# Altium PCB SP7.PcbDoc (part 2 of 4) (continued)
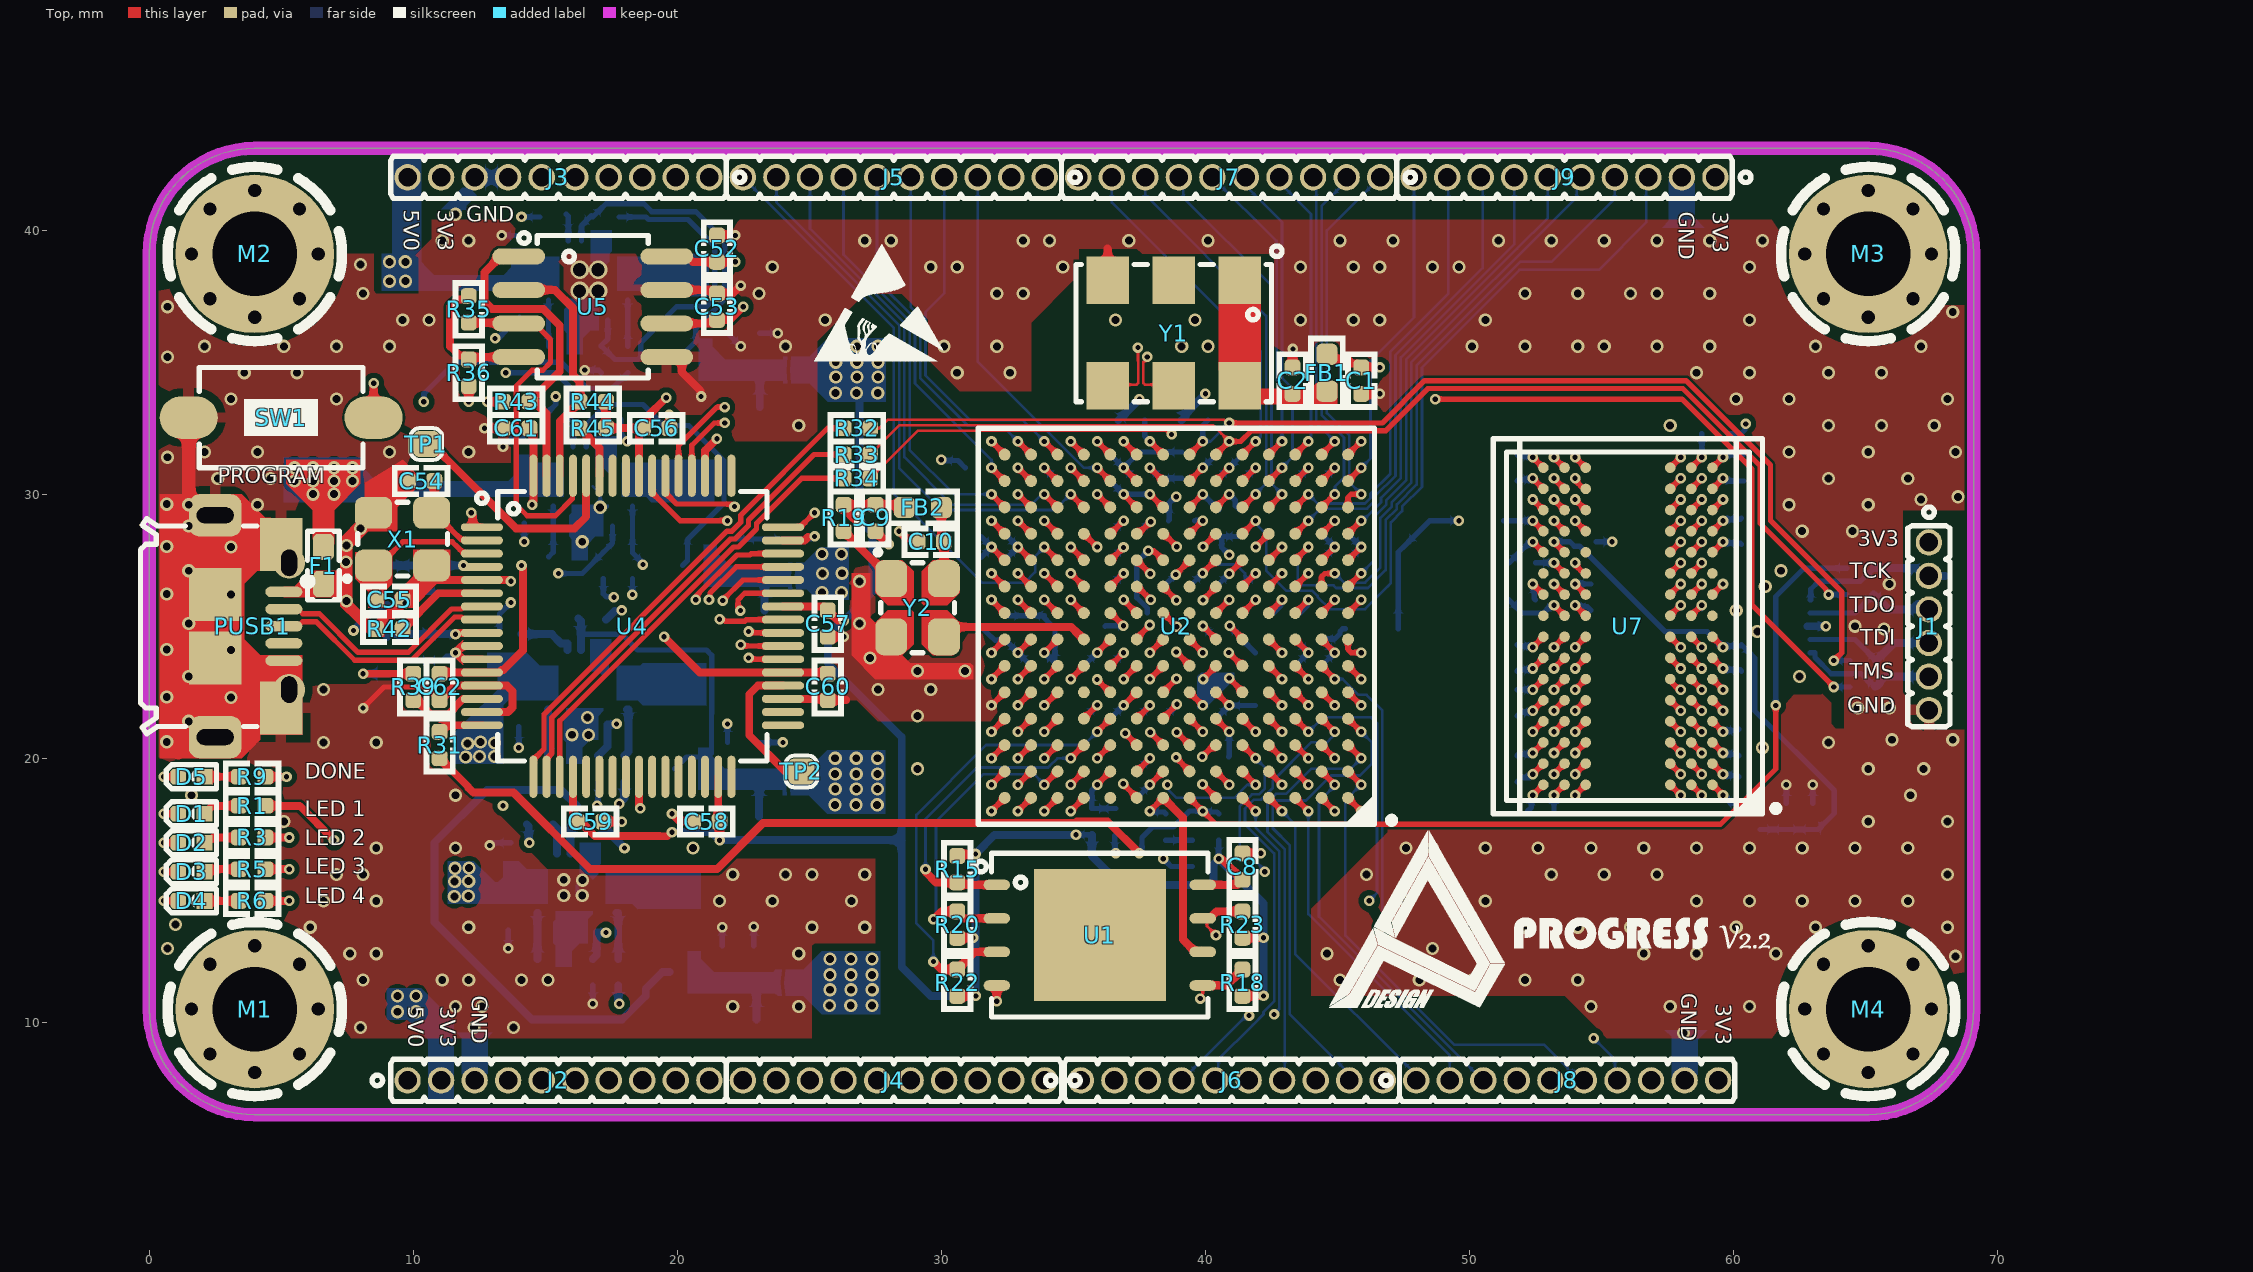
[diagram p0: Top view]
## Nets (pads, with @x,y where several pads share a name; then routed paths per layer and width w, separated by ;. In a path a pad name is that pad's centre, name@x,y a point inside that pad or via, vN(x,y) a via of type N, cw(c..) or ccw(c..) an arc to the next point about the centre after c; other vN are vias at no path point) (continued)
  Bottom w0.1: J6.7@42.905,7.8 43,7.895 43,16.561 42.35,17.211 42.35,18.333 42.667,18.65 43.055,18.65 44.005,19.6 45.5,19.6 v1(45.9,20)
DDR3_DM1: J8.7 U2.A5 U7.D3 | length 45.6
  Top w0.2: U2.A5@41.4,18.5 v1(41.9,18) ; U7.D3@57.6,21.4 v4(58,21)
  03_SIG w0.1: v1(42.6,10.3) 53.8,10.3 v1(54.7,9.4)
  05_SIG w0.1: v1(41.9,18) 42.65,17.25 58.35,17.25 59.2,18.1 59.2,20.5 59.1,20.6 58.508,20.6 58.237,20.871 58.108,21 v4(58,21)
  Bottom w0.1: v1(41.9,18) 41.9,17.378 42.508,16.769 42.8,16.478 42.8,10.509 42.6,10.309 v1(42.6,10.3) ; v1(54.7,9.4) 55.509,8.591 55.509,7.896 J8.7@55.605,7.8
DDR3_DQ0: J6.8 U2.D4 U7.E3 | length 41.6
  Top w0.2: U2.D4@42.4,21.5 v1(42.9,21) ; U7.E3@57.6,22.2 v4(58,21.8)
  03_SIG w0.1: v1(42.9,21) 43.3,21.4 48.6,21.4 48.65,21.4 ccw(c48.65,21.525) 48.775,21.525 48.775,21.619 cw(c48.9,21.619) 48.9,21.744 cw(c48.9,21.619) 49.025,21.619 49.025,21.025 ccw(c49.15,21.025) 49.15,20.9 ccw(c49.15,21.025) 49.275,21.025 49.275,21.619 cw(c49.4,21.619) 49.4,21.744 cw(c49.4,21.619) 49.525,21.619 49.525,21.025 ccw(c49.65,21.025) 49.65,20.9 ccw(c49.65,21.025) 49.775,21.025 49.775,21.619 cw(c49.9,21.619) 49.9,21.744 cw(c49.9,21.619) 50.025,21.619 50.025,21.025 ccw(c50.15,21.025) 50.15,20.9 ccw(c50.15,21.025) 50.275,21.025 50.275,21.619 cw(c50.4,21.619) 50.4,21.744 cw(c50.4,21.619) 50.525,21.619 50.525,21.025 ccw(c50.65,21.025) 50.65,20.9 ccw(c50.65,21.025) 50.775,21.025 50.775,21.775 cw(c50.9,21.775) 50.9,21.9 cw(c50.9,21.775) 51.025,21.775 51.025,21.025 ccw(c51.15,21.025) 51.15,20.9 ccw(c51.15,21.025) 51.275,21.025 51.275,21.275 cw(c51.4,21.275) 51.4,21.4 51.6,21.4 57.6,21.4 v4(58,21.8)
  05_SIG w0.1: v1(42.9,21) 42.3,20.4 41.805,20.4 40.55,19.145 40.55,18.901 39.999,18.35 39.755,18.35 39.5,18.095 39.5,11.913 42.625,8.787 43.188,8.787 J6.8@44.175,7.8
DDR3_DQ1: J6.9 U2.D1 U7.F7 | length 40.3
  Top w0.2: U2.D1@45.4,21.5 v1(45.9,21) ; v4(54,22.6) U7.F7@54.4,23
  05_SIG w0.1: v1(45.9,21) 46.3,21.4 53.366,21.4 53.6,21.634 53.6,21.988 53.824,22.212 54.3,22.212 54.35,22.212 ccw(c54.35,22.337) 54.475,22.337 54.475,22.375 cw(c54.6,22.375) 54.6,22.5 cw(c54.6,22.375) 54.725,22.375 54.725,21.837 ccw(c54.85,21.837) 54.85,21.712 ccw(c54.85,21.837) 54.975,21.837 54.975,22.375 cw(c55.1,22.375) 55.1,22.5 cw(c55.1,22.375) 55.225,22.375 55.225,21.837 ccw(c55.35,21.837) 55.35,21.712 ccw(c55.35,21.837) 55.475,21.837 55.475,22.375 cw(c55.6,22.375) 55.6,22.5 cw(c55.6,22.375) 55.725,22.375 55.725,21.837 ccw(c55.85,21.837) 55.85,21.712 ccw(c55.85,21.837) 55.975,21.837 55.975,22.375 cw(c56.1,22.375) 56.1,22.5 cw(c56.1,22.375) 56.225,22.375 56.225,21.837 ccw(c56.35,21.837) 56.35,21.712 ccw(c56.35,21.837) 56.475,21.837 56.475,22.375 cw(c56.6,22.375) 56.6,22.5 cw(c56.6,22.375) 56.725,22.375 56.725,22.337 ccw(c56.85,22.337) 56.85,22.212 57.141,22.212 57.233,22.212 57.291,22.271 57.291,22.641 57.233,22.7 54.259,22.7 54.235,22.677 54.077,22.677 v4(54,22.6)
  Bottom w0.1: J6.9@45.445,7.8 45.445,8.055 43.2,10.3 43.2,16.7 42.55,17.35 42.55,18.25 42.641,18.341 42.7,18.4 43.805,18.4 44.755,19.35 45.85,19.35 46.3,19.8 46.3,20.6 v1(45.9,21)
DDR3_DQ2: J6.6 U2.E4 U7.F2 | length 41
  Top w0.2: U2.E4@42.4,22.5 v1(42.9,22) ; U7.F2@58.4,23 v4(58.8,22.6)
  03_SIG w0.1: v1(42.9,22) 43.25,22.35 48.141,22.35 48.191,22.35 ccw(c48.191,22.475) 48.316,22.475 48.316,22.744 cw(c48.441,22.744) 48.441,22.869 cw(c48.441,22.744) 48.566,22.744 48.566,22.067 ccw(c48.691,22.067) 48.691,21.942 ccw(c48.691,22.067) 48.816,22.067 48.816,22.744 cw(c48.941,22.744) 48.941,22.869 cw(c48.941,22.744) 49.066,22.744 49.066,22.067 ccw(c49.191,22.067) 49.191,21.942 ccw(c49.191,22.067) 49.316,22.067 49.316,22.744 cw(c49.441,22.744) 49.441,22.869 cw(c49.441,22.744) 49.566,22.744 49.566,22.067 ccw(c49.691,22.067) 49.691,21.942 ccw(c49.691,22.067) 49.816,22.067 49.816,22.744 cw(c49.941,22.744) 49.941,22.869 cw(c49.941,22.744) 50.066,22.744 50.066,22.067 ccw(c50.191,22.067) 50.191,21.942 ccw(c50.191,22.067) 50.316,22.067 50.316,22.225 cw(c50.441,22.225) 50.441,22.35 50.736,22.35 50.746,22.34 50.886,22.2 58.4,22.2 v4(58.8,22.6)
  05_SIG w0.1: J6.6@41.635,7.8 39.3,10.135 39.3,18.178 39.703,18.581 39.947,18.581 40.35,18.984 40.35,19.228 41.722,20.6 41.995,20.6 42.3,20.905 42.3,21.4 v1(42.9,22)
DDR3_DQ3: J6.5 U2.D2 U7.F8 | length 39.5
  Top w0.2: U2.D2@44.4,21.5 v1(44.9,21) ; v4(53.2,22.6) U7.F8@53.6,23
  05_SIG w0.1: v1(44.9,21) 45.405,21 46.4,21.995 46.45,22.045 ccw(c46.299,22.196) 46.513,22.196 46.513,22.575 cw(c46.638,22.575) 46.638,22.7 cw(c46.638,22.575) 46.763,22.575 46.763,21.825 ccw(c46.888,21.825) 46.888,21.7 ccw(c46.888,21.825) 47.013,21.825 47.013,22.575 cw(c47.138,22.575) 47.138,22.7 cw(c47.138,22.575) 47.263,22.575 47.263,21.825 ccw(c47.388,21.825) 47.388,21.7 ccw(c47.388,21.825) 47.513,21.825 47.513,22.575 cw(c47.638,22.575) 47.638,22.7 cw(c47.638,22.575) 47.763,22.575 47.763,21.825 ccw(c47.888,21.825) 47.888,21.7 ccw(c47.888,21.825) 48.013,21.825 48.013,22.235 cw(c48.138,22.235) 48.138,22.36 cw(c48.138,22.235) 48.263,22.235 48.263,21.825 ccw(c48.388,21.825) 48.388,21.7 ccw(c48.388,21.825) 48.513,21.825 48.513,22.132 cw(c48.638,22.132) 48.638,22.257 cw(c48.638,22.132) 48.763,22.132 48.763,21.825 ccw(c48.888,21.825) 48.888,21.7 ccw(c48.888,21.825) 49.013,21.825 49.013,22.132 cw(c49.138,22.132) 49.138,22.257 cw(c49.138,22.132) 49.263,22.132 49.263,21.825 ccw(c49.388,21.825) 49.388,21.7 ccw(c49.388,21.825) 49.513,21.825 49.513,22.132 cw(c49.638,22.132) 49.638,22.257 cw(c49.638,22.132) 49.763,22.132 49.763,21.825 ccw(c49.888,21.825) 49.888,21.7 ccw(c49.888,21.825) 50.013,21.825 50.013,22.132 cw(c50.138,22.132) 50.138,22.257 cw(c50.138,22.132) 50.263,22.132 50.263,21.825 ccw(c50.388,21.825) 50.388,21.7 ccw(c50.388,21.825) 50.513,21.825 50.513,22.132 cw(c50.638,22.132) 50.638,22.257 cw(c50.638,22.132) 50.763,22.132 50.763,21.825 ccw(c50.888,21.825) 50.888,21.7 ccw(c50.888,21.825) 51.013,21.825 51.013,22.132 cw(c51.138,22.132) 51.138,22.257 cw(c51.138,22.132) 51.263,22.132 51.263,21.825 ccw(c51.388,21.825) 51.388,21.7 ccw(c51.388,21.825) 51.513,21.825 51.513,22.575 cw(c51.638,22.575) 51.638,22.7 cw(c51.638,22.575) 51.763,22.575 51.763,22.325 ccw(c51.888,22.325) 51.888,22.2 52.1,22.2 52.8,22.2 v4(53.2,22.6)
  Bottom w0.1: J6.5@40.365,7.8 40.484,7.919 40.484,8.591 41.797,9.905 42.199,10.306 42.199,10.394 42.6,10.795 42.6,16.395 41.5,17.495 41.5,18.095 41.839,18.434 42.111,18.434 42.55,18.872 42.55,19.145 44.005,20.6 44.6,20.6 44.803,20.803 44.803,20.821 44.9,20.919 v1(44.9,21)
DDR3_DQ4: J6.3 U2.G4 U7.H3 | length 42.7
  Top w0.2: U2.G4@42.4,24.5 v1(42.9,24) ; U7.H3@57.6,24.6 v4(58,24.2)
  03_SIG w0.1: v1(42.9,24) 43.9,25 54.192,25 54.492,25 cw(c54.492,24.875) 54.617,24.875 54.617,24.343 ccw(c54.742,24.343) 54.742,24.218 ccw(c54.742,24.343) 54.867,24.343 54.867,24.902 cw(c54.992,24.902) 54.992,25.027 cw(c54.992,24.902) 55.117,24.902 55.117,24.343 ccw(c55.242,24.343) 55.242,24.218 ccw(c55.242,24.343) 55.367,24.343 55.367,24.886 cw(c55.492,24.886) 55.492,25.011 cw(c55.492,24.886) 55.617,24.886 55.617,24.343 ccw(c55.742,24.343) 55.742,24.218 ccw(c55.742,24.343) 55.867,24.343 55.867,24.886 cw(c55.992,24.886) 55.992,25.011 cw(c55.992,24.886) 56.117,24.886 56.117,24.343 ccw(c56.242,24.343) 56.242,24.218 ccw(c56.242,24.343) 56.367,24.343 56.367,25.075 cw(c56.492,25.075) 56.492,25.2 cw(c56.492,25.075) 56.617,25.075 56.617,24.343 ccw(c56.742,24.343) 56.742,24.218 ccw(c56.742,24.343) 56.867,24.343 56.867,24.875 cw(c56.992,24.875) 56.992,25 57.2,25 57.24,24.96 v4(58,24.2)
  05_SIG w0.1: J6.3@37.825,7.8 39.1,9.075 39.1,18.724 40.088,19.712 40.107,19.712 41.25,20.855 41.25,20.874 42.55,22.174 42.55,23.145 42.9,23.495 v1(42.9,24)
DDR3_DQ5: J8.4 U2.F2 U7.H8 | length 43.3
  Top w0.2: U2.F2@44.4,23.5 v1(44.9,23) ; v4(53.2,24.2) U7.H8@53.6,24.6
  03_SIG w0.1: v1(44.9,23) 45.3,23.4 45.3,24 45.65,24.35 45.92,24.35 45.97,24.35 ccw(c45.97,24.475) 46.095,24.475 cw(c46.22,24.475) 46.22,24.6 cw(c46.22,24.475) 46.345,24.475 46.345,23.963 ccw(c46.47,23.963) 46.47,23.838 ccw(c46.47,23.963) 46.595,23.963 46.595,24.475 cw(c46.72,24.475) 46.72,24.6 cw(c46.72,24.475) 46.845,24.475 46.845,23.596 ccw(c46.97,23.596) 46.97,23.471 ccw(c46.97,23.596) 47.095,23.596 47.095,24.475 cw(c47.22,24.475) 47.22,24.6 cw(c47.22,24.475) 47.345,24.475 47.345,23.919 ccw(c47.47,23.919) 47.47,23.794 ccw(c47.47,23.919) 47.595,23.919 47.595,24.475 cw(c47.72,24.475) 47.72,24.6 cw(c47.72,24.475) 47.845,24.475 47.845,24.096 ccw(c47.97,24.096) 47.97,23.971 ccw(c47.97,24.096) 48.095,24.096 48.095,24.475 cw(c48.22,24.475) 48.22,24.6 cw(c48.22,24.475) 48.345,24.475 48.345,24.096 ccw(c48.47,24.096) 48.47,23.971 ccw(c48.47,24.096) 48.595,24.096 48.595,24.475 cw(c48.72,24.475) 48.72,24.6 cw(c48.72,24.475) 48.845,24.475 48.845,24.096 ccw(c48.97,24.096) 48.97,23.971 ccw(c48.97,24.096) 49.095,24.096 49.095,24.475 cw(c49.22,24.475) 49.22,24.6 cw(c49.22,24.475) 49.345,24.475 49.345,24.096 ccw(c49.47,24.096) 49.47,23.971 ccw(c49.47,24.096) 49.595,24.096 49.595,24.475 cw(c49.72,24.475) 49.72,24.6 cw(c49.72,24.475) 49.845,24.475 49.845,24.096 ccw(c49.97,24.096) 49.97,23.971 ccw(c49.97,24.096) 50.095,24.096 50.095,24.475 cw(c50.22,24.475) 50.22,24.6 cw(c50.22,24.475) 50.345,24.475 50.345,24.096 ccw(c50.47,24.096) 50.47,23.971 ccw(c50.47,24.096) 50.595,24.096 50.595,24.475 cw(c50.72,24.475) 50.72,24.6 cw(c50.72,24.475) 50.845,24.475 50.845,24.096 ccw(c50.97,24.096) 50.97,23.971 ccw(c50.97,24.096) 51.095,24.096 51.095,24.475 cw(c51.22,24.475) 51.22,24.6 cw(c51.22,24.475) 51.345,24.475 51.345,24.096 ccw(c51.47,24.096) 51.47,23.971 51.53,23.971 51.701,23.8 52.396,23.8 53.329,23.8 53.4,23.871 53.4,23.941 53.2,24.141 v4(53.2,24.2)
  05_SIG w0.1: v1(46.7,13.6) 46.7,12.434 47.7,11.434 50.434,8.7 50.895,8.7 51.284,8.311 J8.4@51.795,7.8 ; J8.4@51.9,7.4 J8.4@51.9,7.8
  Bottom w0.1: v1(44.9,23) 45.2,23 45.8,22.4 46.1,22.4 46.7,21.8 v1(46.7,13.6) ; J8.4@51.795,7.8 J8.4@51.795,8.105
DDR3_DQ6: J6.4 U2.E2 U7.G2 | length 41.9
  Top w0.2: U2.E2@44.4,22.5 v1(44.9,22) ; U7.G2@58.4,23.8 v4(58.8,23.4)
  05_SIG w0.1: v1(41.653,10.255) 39.8,12.108 39.8,17.405 41.25,18.855 41.25,19.15 41.6,19.5 42.895,19.5 44.25,20.855 44.25,21.35 v1(44.9,22) 45.55,22.65 46.045,22.65 46.395,23 47.95,23 48.25,23 cw(c48.25,22.875) 48.375,22.875 48.375,22.582 ccw(c48.5,22.582) 48.5,22.457 ccw(c48.5,22.582) 48.625,22.582 48.625,23.075 cw(c48.75,23.075) 48.75,23.2 cw(c48.75,23.075) 48.875,23.075 48.875,22.582 ccw(c49,22.582) 49,22.457 ccw(c49,22.582) 49.125,22.582 49.125,23.075 cw(c49.25,23.075) 49.25,23.2 cw(c49.25,23.075) 49.375,23.075 49.375,22.582 ccw(c49.5,22.582) 49.5,22.457 ccw(c49.5,22.582) 49.625,22.582 49.625,23.075 cw(c49.75,23.075) 49.75,23.2 cw(c49.75,23.075) 49.875,23.075 49.875,22.582 ccw(c50,22.582) 50,22.457 ccw(c50,22.582) 50.125,22.582 50.125,23.075 cw(c50.25,23.075) 50.25,23.2 cw(c50.25,23.075) 50.375,23.075 50.375,22.582 ccw(c50.5,22.582) 50.5,22.457 ccw(c50.5,22.582) 50.625,22.582 50.625,23.075 cw(c50.75,23.075) 50.75,23.2 cw(c50.75,23.075) 50.875,23.075 50.875,22.582 ccw(c51,22.582) 51,22.457 ; 51,22.457 ccw(c51,22.582) 51.125,22.582 51.125,22.875 cw(c51.25,22.875) 51.25,23 51.8,23 58.3,23 58.7,23.4 v4(58.8,23.4)
  Bottom w0.1: J6.4@39.095,7.8 41.493,10.198 41.595,10.198 v1(41.653,10.255)
DDR3_DQ7: J6.2 U2.F3 U7.H7 | length 45.7
  Top w0.2: U2.F3@43.4,23.5 v1(43.9,23) ; v4(54,24.2) U7.H7@54.4,24.6
  03_SIG w0.1: v1(43.9,23) 43.9,23.505 45.195,24.8 54.16,24.8 54.417,24.543 54.417,24.209 54.626,24 57.2,24 57.3,23.9 57.3,23.359 57.281,23.34 57.241,23.3 56.981,23.3 cw(c56.981,23.425) 56.856,23.425 56.856,23.675 ccw(c56.731,23.675) 56.731,23.8 ccw(c56.731,23.675) 56.606,23.675 56.606,23.325 cw(c56.481,23.325) 56.481,23.2 cw(c56.481,23.325) 56.356,23.325 56.356,23.675 ccw(c56.231,23.675) 56.231,23.8 ccw(c56.231,23.675) 56.106,23.675 56.106,23.325 cw(c55.981,23.325) 55.981,23.2 cw(c55.981,23.325) 55.856,23.325 55.856,23.675 ccw(c55.731,23.675) 55.731,23.8 ccw(c55.731,23.675) 55.606,23.675 55.606,23.325 cw(c55.481,23.325) 55.481,23.2 cw(c55.481,23.325) 55.356,23.325 55.356,23.675 ccw(c55.231,23.675) 55.231,23.8 ccw(c55.231,23.675) 55.106,23.675 55.106,23.425 cw(c54.981,23.425) 54.981,23.3 54.9,23.3 54.5,23.7 v4(54,24.2)
  05_SIG w0.1: J6.2@36.467,7.712 38.9,10.145 38.9,18.807 38.91,18.817 38.91,19.559 39.238,19.887 39.238,19.916 39.972,20.65 40.045,20.65 41.25,21.855 42.3,22.905 42.3,24.2 42.45,24.35 43.05,24.35 43.9,23.5 v1(43.9,23)
DDR3_DQ8: J8.8 U2.D3 U7.D7 | length 47.7
  Top w0.2: U2.D3@43.4,21.5 v1(43.9,21) ; v4(54,21) U7.D7@54.4,21.4
  03_SIG w0.1: v1(43.9,21) 44.3,20.6 45.78,20.6 46.08,20.6 cw(c46.08,20.475) 46.205,20.475 46.205,20.315 ccw(c46.33,20.315) 46.33,20.19 ccw(c46.33,20.315) 46.455,20.315 46.455,20.733 cw(c46.58,20.733) 46.58,20.858 cw(c46.58,20.733) 46.705,20.733 46.705,20.225 ccw(c46.83,20.225) 46.83,20.1 ccw(c46.83,20.225) 46.955,20.225 46.955,20.733 cw(c47.08,20.733) 47.08,20.858 cw(c47.08,20.733) 47.205,20.733 47.205,20.225 ccw(c47.33,20.225) 47.33,20.1 ccw(c47.33,20.225) 47.455,20.225 47.455,20.733 cw(c47.58,20.733) 47.58,20.858 cw(c47.58,20.733) 47.705,20.733 47.705,20.225 ccw(c47.83,20.225) 47.83,20.1 ccw(c47.83,20.225) 47.955,20.225 47.955,20.733 cw(c48.08,20.733) 48.08,20.858 cw(c48.08,20.733) 48.205,20.733 48.205,20.225 ccw(c48.33,20.225) 48.33,20.1 ccw(c48.33,20.225) 48.455,20.225 48.455,20.733 cw(c48.58,20.733) 48.58,20.858 cw(c48.58,20.733) 48.705,20.733 48.705,20.225 ccw(c48.83,20.225) 48.83,20.1 ccw(c48.83,20.225) 48.955,20.225 48.955,20.575 cw(c49.08,20.575) 49.08,20.7 cw(c49.08,20.575) 49.205,20.575 49.205,20.225 ccw(c49.33,20.225) 49.33,20.1 ccw(c49.33,20.225) 49.455,20.225 49.455,20.575 cw(c49.58,20.575) 49.58,20.7 cw(c49.58,20.575) 49.705,20.575 49.705,20.225 ccw(c49.83,20.225) 49.83,20.1 ccw(c49.83,20.225) 49.955,20.225 49.955,20.575 cw(c50.08,20.575) 50.08,20.7 cw(c50.08,20.575) 50.205,20.575 50.205,20.225 ccw(c50.33,20.225) 50.33,20.1 ccw(c50.33,20.225) 50.455,20.225 50.455,20.575 cw(c50.58,20.575) 50.58,20.7 cw(c50.58,20.575) 50.705,20.575 50.705,20.225 ccw(c50.83,20.225) 50.83,20.1 ccw(c50.83,20.225) 50.955,20.225 50.955,20.575 cw(c51.08,20.575) 51.08,20.7 cw(c51.08,20.575) 51.205,20.575 51.205,20.225 ccw(c51.33,20.225) 51.33,20.1 ccw(c51.33,20.225) 51.455,20.225 51.455,20.733 cw(c51.58,20.733) 51.58,20.858 cw(c51.58,20.733) 51.705,20.733 51.705,20.725 ccw(c51.83,20.725) 51.83,20.6 52.175,20.6 53.6,20.6 v4(54,21)
  05_SIG w0.1: v1(46.2,14.6) 50.967,9.833 55.117,9.833 J8.8@57.15,7.8
  Bottom w0.1: v1(43.9,21) 44.45,21.55 46.277,21.55 46.441,21.385 46.5,21.327 46.5,14.9 v1(46.2,14.6)
DDR3_DQ9: J8.3 U2.B2 U7.C3 | length 38.3
  Top w0.2: U2.B2@44.4,19.5 v1(44.9,19) ; U7.C3@57.6,20.6 v4(58,20.2)
  03_SIG w0.1: v1(44.9,19) 45.25,18.65 46.15,18.65 46.5,19 54.3,19 54.35,19 ccw(c54.35,19.125) 54.475,19.125 54.475,19.826 cw(c54.6,19.826) 54.6,19.951 cw(c54.6,19.826) 54.725,19.826 54.725,19.066 ccw(c54.85,19.066) 54.85,18.941 ccw(c54.85,19.066) 54.975,19.066 54.975,19.826 cw(c55.1,19.826) 55.1,19.951 cw(c55.1,19.826) 55.225,19.826 55.225,19.066 ccw(c55.35,19.066) 55.35,18.941 ccw(c55.35,19.066) 55.475,19.066 55.475,19.826 cw(c55.6,19.826) 55.6,19.951 cw(c55.6,19.826) 55.725,19.826 55.725,19.066 ccw(c55.85,19.066) 55.85,18.941 ccw(c55.85,19.066) 55.975,19.066 55.975,19.826 cw(c56.1,19.826) 56.1,19.951 cw(c56.1,19.826) 56.225,19.826 56.225,19.066 ccw(c56.35,19.066) 56.35,18.941 ccw(c56.35,19.066) 56.475,19.066 56.475,19.826 cw(c56.6,19.826) 56.6,19.951 cw(c56.6,19.826) 56.725,19.826 56.725,19.125 ccw(c56.85,19.125) 56.85,19 57.034,19 57.934,19.9 57.934,20.134 v4(58,20.2)
  Bottom w0.1: v1(44.9,19) 44.9,18.962 44.3,18.362 44.3,14.005 50.505,7.8 J8.3@50.525,7.8
DDR3_DQ10: J6.10 U2.C3 U7.C8 | length 39.4
  Top w0.2: U2.C3@43.4,20.5 v1(43.9,20) ; v4(53.2,20.2) U7.C8@53.6,20.6
  05_SIG w0.1: J6.10@46.977,7.8 46.7,7.8 41.3,13.2 41.3,17.9 41.8,18.4 42.8,18.4 43.9,19.5 v1(43.9,20) 44.473,20.572 44.5,20.6 44.773,20.6 cw(c44.773,20.475) 44.898,20.475 ccw(c45.023,20.475) 45.023,20.35 ccw(c45.023,20.475) 45.148,20.475 45.148,20.628 cw(c45.273,20.628) 45.273,20.753 cw(c45.273,20.628) 45.398,20.628 45.398,20.367 ccw(c45.523,20.367) 45.523,20.242 ccw(c45.523,20.367) 45.648,20.367 45.648,20.475 cw(c45.773,20.475) 45.773,20.6 46.523,20.6 ccw(c46.523,20.725) 46.648,20.725 46.648,21.075 cw(c46.773,21.075) 46.773,21.2 cw(c46.773,21.075) 46.898,21.075 46.898,20.725 ccw(c47.023,20.725) 47.023,20.6 ccw(c47.023,20.725) 47.148,20.725 47.148,21.075 cw(c47.273,21.075) 47.273,21.2 cw(c47.273,21.075) 47.398,21.075 47.398,20.725 ccw(c47.523,20.725) 47.523,20.6 ccw(c47.523,20.725) 47.648,20.725 47.648,21.075 cw(c47.773,21.075) 47.773,21.2 cw(c47.773,21.075) 47.898,21.075 47.898,20.72 ccw(c48.023,20.72) 48.023,20.595 ccw(c48.023,20.72) 48.148,20.72 48.148,21.075 cw(c48.273,21.075) 48.273,21.2 cw(c48.273,21.075) 48.398,21.075 48.398,20.72 ccw(c48.523,20.72) 48.523,20.595 ccw(c48.523,20.72) 48.648,20.72 48.648,21.075 cw(c48.773,21.075) 48.773,21.2 cw(c48.773,21.075) 48.898,21.075 48.898,20.72 ccw(c49.023,20.72) 49.023,20.595 ccw(c49.023,20.72) 49.148,20.72 49.148,21.075 cw(c49.273,21.075) 49.273,21.2 cw(c49.273,21.075) 49.398,21.075 49.398,20.72 ccw(c49.523,20.72) 49.523,20.595 ccw(c49.523,20.72) 49.648,20.72 49.648,21.075 cw(c49.773,21.075) 49.773,21.2 cw(c49.773,21.075) 49.898,21.075 49.898,20.72 ccw(c50.023,20.72) 50.023,20.595 ccw(c50.023,20.72) 50.148,20.72 50.148,21.075 cw(c50.273,21.075) 50.273,21.2 cw(c50.273,21.075) 50.398,21.075 50.398,20.72 ccw(c50.523,20.72) 50.523,20.595 ccw(c50.523,20.72) 50.648,20.72 50.648,21.075 cw(c50.773,21.075) 50.773,21.2 cw(c50.773,21.075) 50.898,21.075 50.898,20.72 ccw(c51.023,20.72) 51.023,20.595 ccw(c51.023,20.72) 51.148,20.72 51.148,21.075 cw(c51.273,21.075) 51.273,21.2 cw(c51.273,21.075) 51.398,21.075 51.398,20.721 ccw(c51.523,20.721) 51.523,20.596 ccw(c51.523,20.721) 51.648,20.721 51.648,21.075 cw(c51.773,21.075) 51.773,21.2 cw(c51.773,21.075) 51.898,21.075 51.898,20.725 ccw(c52.023,20.725) 52.023,20.6 52.393,20.6 52.746,20.6 53.146,20.2 v4(53.2,20.2)
DDR3_DQ11: J5.2 U2.B5 U7.C2 | length 54.1
  Top w0.2: U2.B5@41.4,19.5 v1(41.9,19) ; U7.C2@58.4,20.6 v4(58.8,20.2)
  03_SIG w0.1: v1(41.9,19) 42.55,18.35 42.55,17.855 42.755,17.65 55.5,17.65 55.55,17.65 ccw(c55.55,17.775) 55.675,17.775 55.675,17.875 cw(c55.8,17.875) 55.8,18 cw(c55.8,17.875) 55.925,17.875 55.925,17.275 ccw(c56.05,17.275) 56.05,17.15 ccw(c56.05,17.275) 56.175,17.275 56.175,17.875 cw(c56.3,17.875) 56.3,18 cw(c56.3,17.875) 56.425,17.875 56.425,17.275 ccw(c56.55,17.275) 56.55,17.15 ccw(c56.55,17.275) 56.675,17.275 56.675,17.875 cw(c56.8,17.875) 56.8,18 cw(c56.8,17.875) 56.925,17.875 56.925,17.775 ccw(c57.05,17.775) 57.05,17.65 57.345,17.65 57.616,17.65 58.4,18.434 58.4,19.8 v4(58.8,20.2)
  05_SIG w0.1: J5.2@32.6,42 32.6,37.4 37.3,32.7 38,32.7 38.368,32.332 38.368,20.057 38.56,19.866 v1(38.56,19)
  Bottom w0.1: J5.2@32.6,41.955 J5.2@32.645,42 ; v1(38.56,19) 38.617,18.943 38.617,18.783 38.9,18.5 41.1,18.5 41.6,19 v1(41.9,19)
DDR3_DQ12: J8.1 U2.A4 U7.A7 | length 35.3
  Top w0.2: U2.A4@42.4,18.5 v1(42.9,18) ; v4(54,18.6) U7.A7@54.4,19
  05_SIG w0.1: v1(42.9,18) 43.224,18.324 43.25,18.35 43.274,18.35 ccw(c43.274,18.475) 43.399,18.475 43.399,18.631 cw(c43.524,18.631) 43.524,18.756 cw(c43.524,18.631) 43.649,18.631 43.649,18.475 ccw(c43.774,18.475) 43.774,18.35 43.986,18.35 44.055,18.35 44.755,17.65 46.2,17.65 46.25,17.65 ccw(c46.25,17.775) 46.375,17.775 46.375,17.875 cw(c46.5,17.875) 46.5,18 cw(c46.5,17.875) 46.625,17.875 46.625,17.775 ccw(c46.75,17.775) 46.75,17.65 ccw(c46.75,17.775) 46.875,17.775 46.875,17.875 cw(c47,17.875) 47,18 cw(c47,17.875) 47.125,17.875 47.125,17.775 ccw(c47.25,17.775) 47.25,17.65 ccw(c47.25,17.775) 47.375,17.775 47.375,17.875 cw(c47.5,17.875) 47.5,18 cw(c47.5,17.875) 47.625,17.875 47.625,17.775 ccw(c47.75,17.775) 47.75,17.65 ccw(c47.75,17.775) 47.875,17.775 47.875,17.875 cw(c48,17.875) 48,18 cw(c48,17.875) 48.125,17.875 48.125,17.775 ccw(c48.25,17.775) 48.25,17.65 ccw(c48.25,17.775) 48.375,17.775 48.375,17.875 cw(c48.5,17.875) 48.5,18 cw(c48.5,17.875) 48.625,17.875 48.625,17.775 ccw(c48.75,17.775) 48.75,17.65 ccw(c48.75,17.775) 48.875,17.775 48.875,17.875 cw(c49,17.875) 49,18 cw(c49,17.875) 49.125,17.875 49.125,17.775 ccw(c49.25,17.775) 49.25,17.65 ccw(c49.25,17.775) 49.375,17.775 49.375,17.875 cw(c49.5,17.875) 49.5,18 cw(c49.5,17.875) 49.625,17.875 49.625,17.775 ccw(c49.75,17.775) 49.75,17.65 ccw(c49.75,17.775) 49.875,17.775 49.875,17.875 cw(c50,17.875) 50,18 cw(c50,17.875) 50.125,17.875 50.125,17.775 ccw(c50.25,17.775) 50.25,17.65 ccw(c50.25,17.775) 50.375,17.775 50.375,17.875 cw(c50.5,17.875) 50.5,18 cw(c50.5,17.875) 50.625,17.875 50.625,17.775 ccw(c50.75,17.775) 50.75,17.65 ccw(c50.75,17.775) 50.875,17.775 50.875,17.875 cw(c51,17.875) 51,18 cw(c51,17.875) 51.125,17.875 51.125,17.775 ccw(c51.25,17.775) 51.25,17.65 ccw(c51.25,17.775) 51.375,17.775 51.375,17.875 cw(c51.5,17.875) 51.5,18 cw(c51.5,17.875) 51.625,17.875 51.625,17.775 ccw(c51.75,17.775) 51.75,17.65 ccw(c51.75,17.775) 51.875,17.775 51.875,17.875 cw(c52,17.875) 52,18 cw(c52,17.875) 52.125,17.875 52.125,17.775 ccw(c52.25,17.775) 52.25,17.65 ccw(c52.25,17.775) 52.375,17.775 52.375,17.875 cw(c52.5,17.875) 52.5,18 cw(c52.5,17.875) 52.625,17.875 52.625,17.775 ccw(c52.75,17.775) 52.75,17.65 ccw(c52.75,17.775) 52.875,17.775 52.875,18.075 cw(c53,18.075) 53,18.2 cw(c53,18.075) 53.125,18.075 53.125,17.775 ccw(c53.25,17.775) 53.25,17.65 ccw(c53.25,17.775) 53.375,17.775 53.375,18.084 cw(c53.5,18.084) 53.5,18.209 cw(c53.5,18.084) 53.625,18.084 53.625,17.775 ccw(c53.75,17.775) 53.75,17.65 54.25,17.65 54.376,17.776 54.5,17.9 54.5,18.1 v4(54,18.6)
  Bottom w0.1: v1(42.9,18) 43.4,17.5 43.4,12.585 47.985,8 J8.1@47.985,7.8
DDR3_DQ13: J8.2 U2.A3 U7.A2 | length 35.2
  Top w0.2: U2.A3@43.4,18.5 v1(43.9,18) ; U7.A2@58.4,19 v4(58.8,18.6)
  05_SIG w0.1: v1(43.9,18) 44.45,17.45 54.6,17.45 54.65,17.45 ccw(c54.65,17.575) 54.775,17.575 54.775,18.028 cw(c54.9,18.028) 54.9,18.153 cw(c54.9,18.028) 55.025,18.028 55.025,17.575 ccw(c55.15,17.575) 55.15,17.45 ccw(c55.15,17.575) 55.275,17.575 55.275,18.028 cw(c55.4,18.028) 55.4,18.153 cw(c55.4,18.028) 55.525,18.028 55.525,17.575 ccw(c55.65,17.575) 55.65,17.45 ccw(c55.65,17.575) 55.775,17.575 55.775,18.028 cw(c55.9,18.028) 55.9,18.153 cw(c55.9,18.028) 56.025,18.028 56.025,17.575 ccw(c56.15,17.575) 56.15,17.45 ccw(c56.15,17.575) 56.275,17.575 56.275,18.028 cw(c56.4,18.028) 56.4,18.153 cw(c56.4,18.028) 56.525,18.028 56.525,17.575 ccw(c56.65,17.575) 56.65,17.45 ccw(c56.65,17.575) 56.775,17.575 56.775,18.028 cw(c56.9,18.028) 56.9,18.153 cw(c56.9,18.028) 57.025,18.028 57.025,17.575 ccw(c57.15,17.575) 57.15,17.45 57.427,17.45 57.65,17.45 v4(58.8,18.6)
  Bottom w0.1: v1(43.9,18) 43.9,14.1 49.255,8.745 J8.2@49.255,7.8
DDR3_DQ14: J8.6 U2.B1 U7.B8 | length 40.3
  Top w0.2: U2.B1@45.4,19.5 v1(45.9,19) ; v4(53.2,19.4) U7.B8@53.6,19.8
  05_SIG w0.1: v1(45.9,19) 45.853,19.047 45.348,19.047 45.172,19.222 45.045,19.35 44.859,19.35 44.8,19.409 44.8,19.541 44.859,19.6 45.8,19.6 46.275,19.125 46.478,19.125 46.478,20.075 cw(c46.603,20.075) 46.603,20.2 cw(c46.603,20.075) 46.728,20.075 46.728,19.058 ccw(c46.853,19.058) 46.853,18.933 ccw(c46.853,19.058) 46.978,19.058 46.978,20.075 cw(c47.103,20.075) 47.103,20.2 cw(c47.103,20.075) 47.228,20.075 47.228,19.058 ccw(c47.353,19.058) 47.353,18.933 ccw(c47.353,19.058) 47.478,19.058 47.478,19.394 cw(c47.603,19.394) 47.603,19.519 cw(c47.603,19.394) 47.728,19.394 47.728,19.058 ccw(c47.853,19.058) 47.853,18.933 ccw(c47.853,19.058) 47.978,19.058 47.978,19.301 cw(c48.103,19.301) 48.103,19.426 cw(c48.103,19.301) 48.228,19.301 48.228,19.058 ccw(c48.353,19.058) 48.353,18.933 ccw(c48.353,19.058) 48.478,19.058 48.478,19.301 cw(c48.603,19.301) 48.603,19.426 cw(c48.603,19.301) 48.728,19.301 48.728,19.058 ccw(c48.853,19.058) 48.853,18.933 ccw(c48.853,19.058) 48.978,19.058 48.978,19.301 cw(c49.103,19.301) 49.103,19.426 cw(c49.103,19.301) 49.228,19.301 49.228,19.058 ccw(c49.353,19.058) 49.353,18.933 ccw(c49.353,19.058) 49.478,19.058 49.478,19.301 cw(c49.603,19.301) 49.603,19.426 cw(c49.603,19.301) 49.728,19.301 49.728,19.058 ccw(c49.853,19.058) 49.853,18.933 ccw(c49.853,19.058) 49.978,19.058 49.978,19.301 cw(c50.103,19.301) 50.103,19.426 cw(c50.103,19.301) 50.228,19.301 50.228,19.058 ccw(c50.353,19.058) 50.353,18.933 ccw(c50.353,19.058) 50.478,19.058 50.478,19.301 cw(c50.603,19.301) 50.603,19.426 cw(c50.603,19.301) 50.728,19.301 50.728,19.058 ccw(c50.853,19.058) 50.853,18.933 ccw(c50.853,19.058) 50.978,19.058 50.978,19.301 cw(c51.103,19.301) 51.103,19.426 cw(c51.103,19.301) 51.228,19.301 51.228,19.058 ccw(c51.353,19.058) 51.353,18.933 ccw(c51.353,19.058) 51.478,19.058 51.478,19.301 cw(c51.603,19.301) 51.603,19.426 cw(c51.603,19.301) 51.728,19.301 51.728,19.125 ccw(c51.853,19.125) 51.853,19 52.2,19 52.751,19 53.151,19.4 v4(53.2,19.4)
  Bottom w0.1: v1(45.9,19) 45.3,18.4 45.3,13.288 49.438,9.15 52.834,9.15 53.715,8.269 53.715,8.216 53.774,8.158 53.977,8.158 J8.6@54.335,7.8